# Altium PCB Copy of BGA_ACUity.PcbDoc (part 4 of 5)
Units mm, origin at the board's own origin, x right, y up, seen from the top; angles counter-clockwise.
Board outline 100 x 100.02 mm, 4 copper layers (TopSignal, Ground, Power, BottomSignal), stack 1.564 mm thick; 444 components, 319 nets, 2039 pads, 69 vias.
Unrouted connection lines stored in the file: 749.
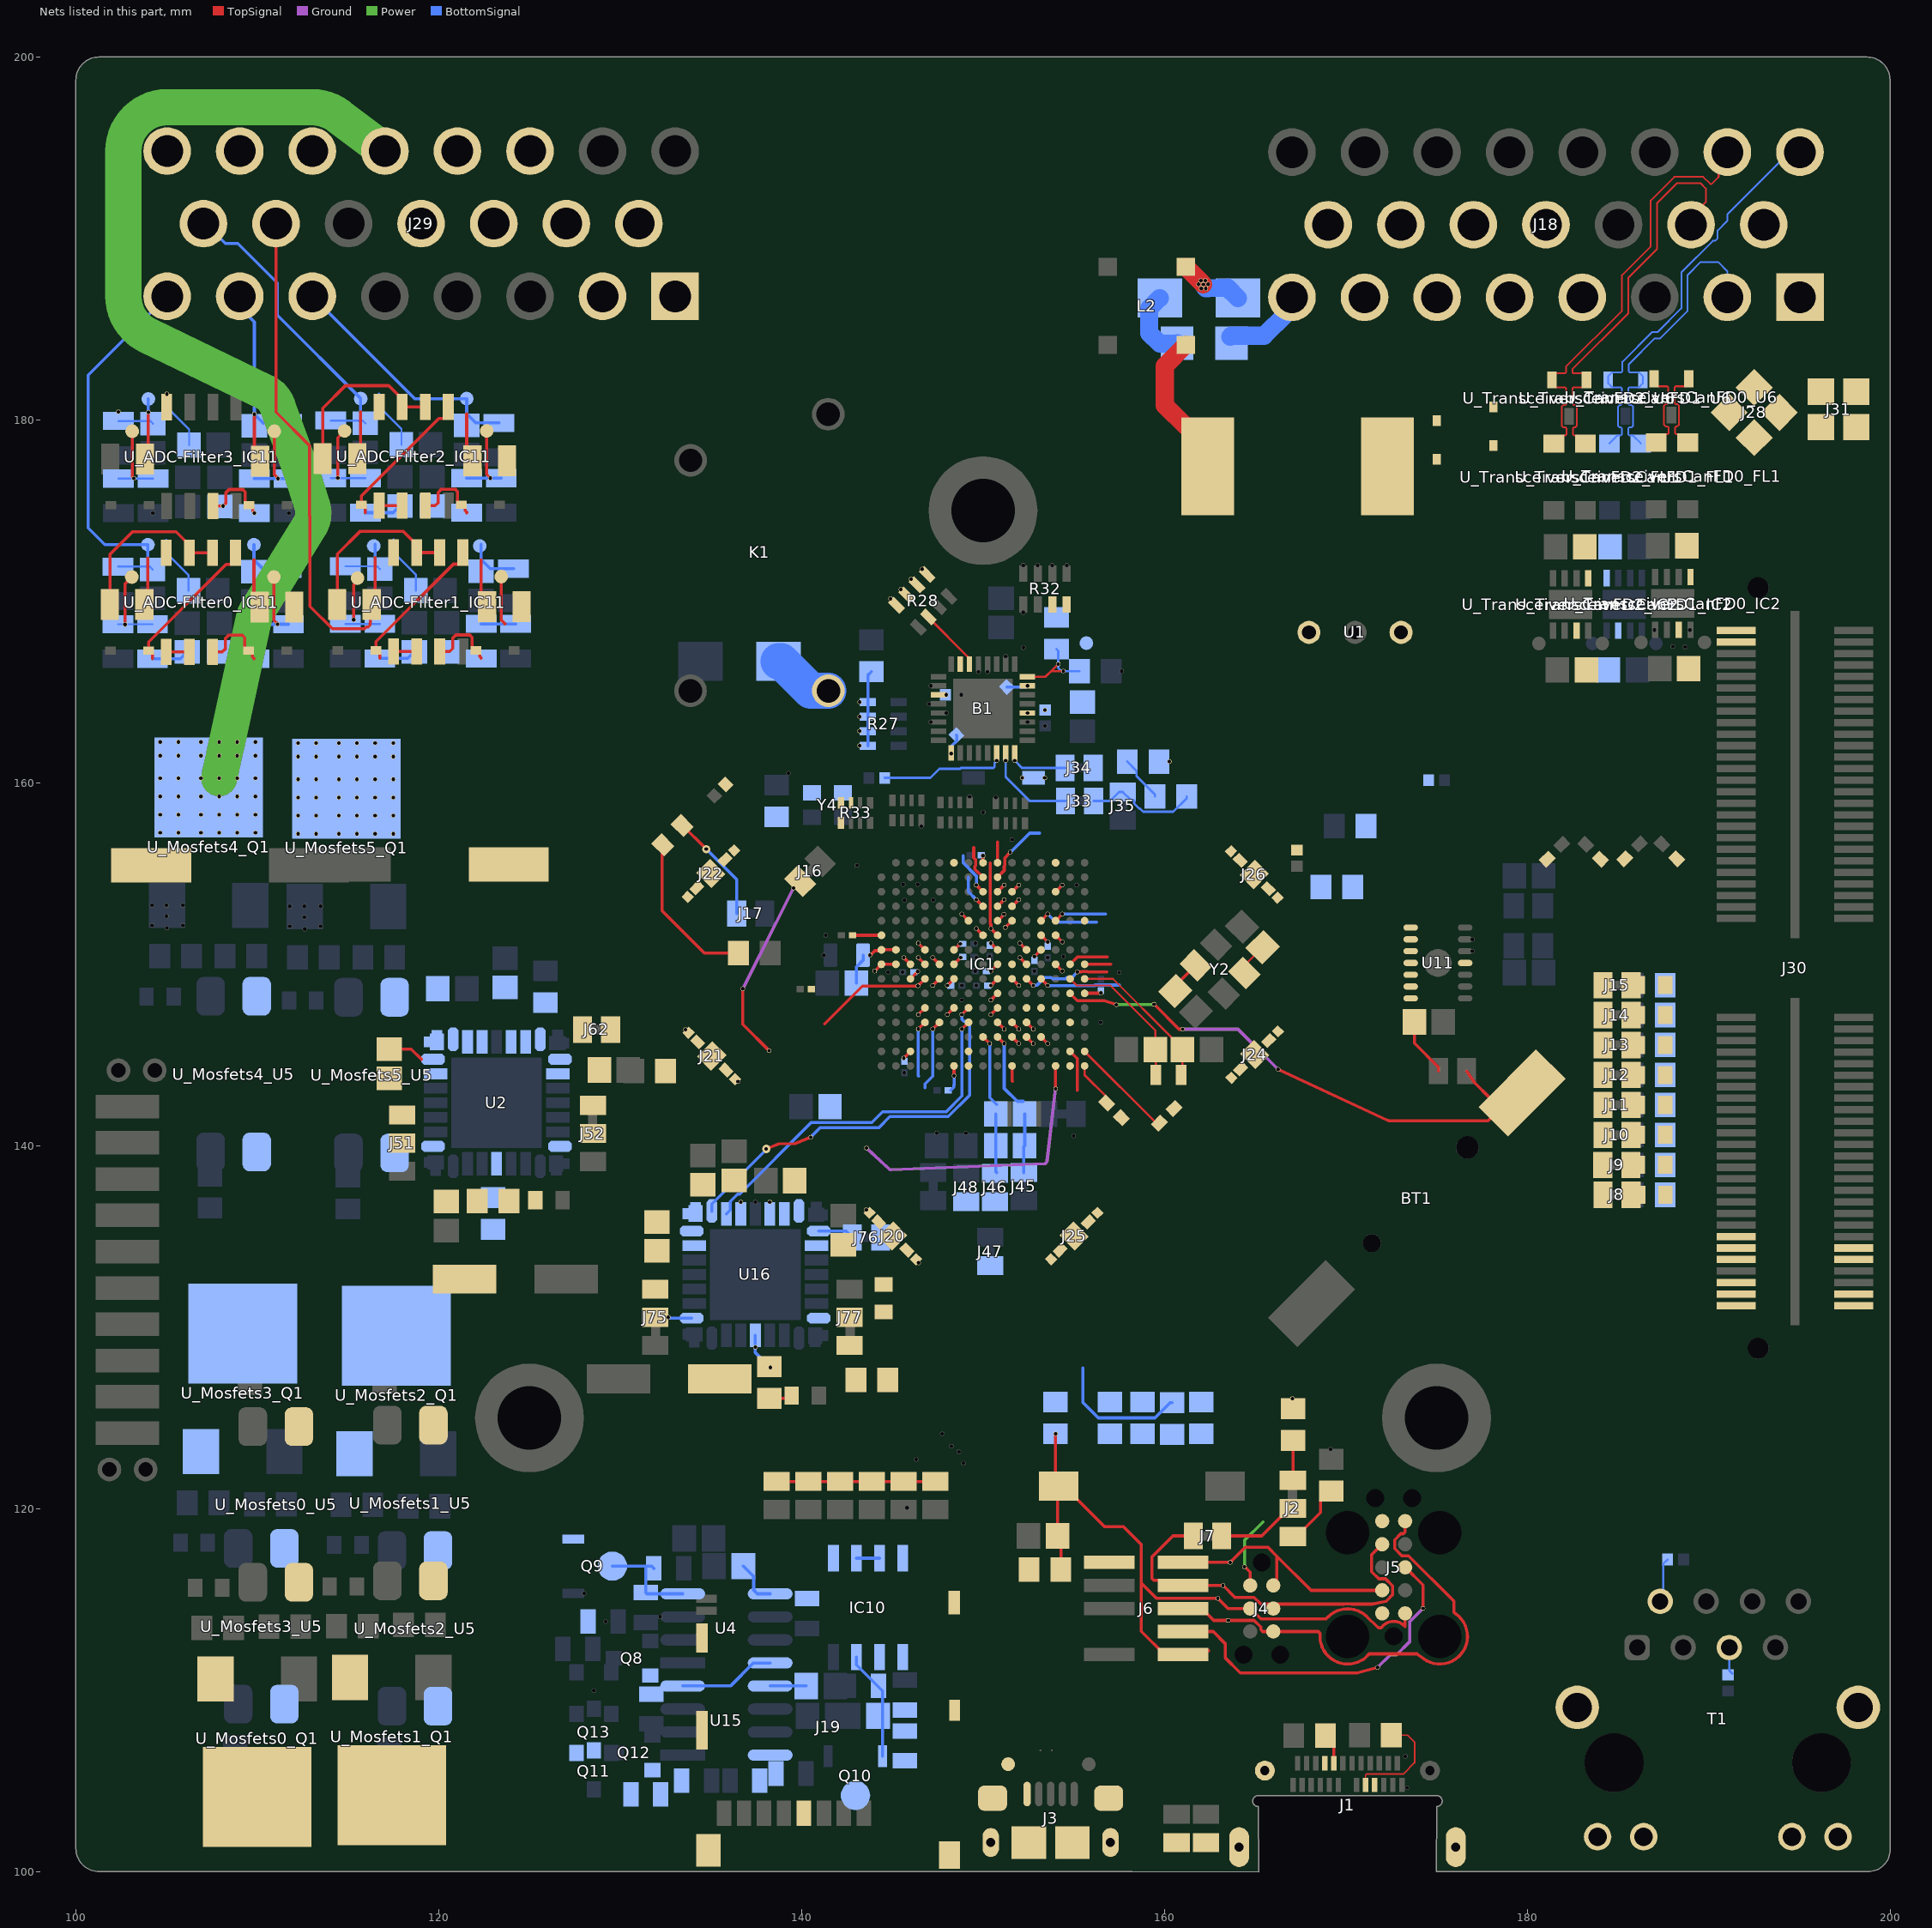
[diagram p6: the nets of this part, all layers, seen from the top]

## Via types
v1: diameter 0.5, hole 0.2, TopSignal to BottomSignal, 32 vias
v2: diameter 0.5, hole 0.3, TopSignal to BottomSignal, 24 vias
v3: diameter 0.6, hole 0.3, TopSignal to BottomSignal, 8 vias
v4: diameter 0.45, hole 0.2, TopSignal to BottomSignal, 5 vias

## Nets (pads, with @x,y where several pads share a name; then routed paths per layer and width w, separated by ;. In a path a pad name is that pad's centre, name@x,y a point inside that pad or via, vN(x,y) a via of type N, cw(c..) or ccw(c..) an arc to the next point about the centre after c; other vN are vias at no path point) (continued)
1_1-CLK_7: B1.30 C24.1 pad.1@150.75,161.225 R33.5 | length 6.7
  BottomSignal w0.131: C24.1@144.585,160.274 147.097,160.274 147.598,160.775 148.745,160.775 148.786,160.816 150.562,160.816 150.639,160.893 150.639,161.088 150.75,161.199 pad.1@150.75,161.225
+0V_VLO: B2.1 IC1.H1 IC1.H2 pad.1@144.032,149.632 TP15.P2 | length 1.3
  TopSignal w0.171: pad.1@144.032,149.632 IC1.H1@144.4,150 144.403,150.003 145.197,150.003 IC1.H2@145.2,150
+1V2: B2.2 C40.1 C42.1 C43.1 C44.1 C45.1 C46.1 C47.1 IC1.A8 IC1.F1 IC1.G6 IC1.H6 IC1.K15 IC1.R6 J40.1 pad.1@148.403,143.861 pad.1@148.742,151.13 pad.1@148.767,150.367 pad.1@150,155.983 pad.1@156.5,148.422 TP16.P2 | length 5.2
  TopSignal w0.171: C43.1@142.95,151.6 IC1.F1@144.4,151.6 ; IC1.R6@148.4,144.4 148.4,143.864 pad.1@148.403,143.861 ; IC1.H6@148.4,150.064 IC1.H6@148.4,150 pad.1@148.767,150.367 ; IC1.G6@148.4,150.8 148.413,150.799 pad.1@148.742,151.13 ; IC1.A8@150,155.6 pad.1@150,155.983 ; IC1.K15@155.6,148.4 155.611,148.411 156.489,148.411 pad.1@156.5,148.422
  BottomSignal w0.171: C44.1@148.227,143.053 148.392,143.217 148.392,143.331 148.403,143.342 pad.1@148.403,143.861
+3V3: B1.4 B1.7 B1.19 B1.25 C8.2 C10.2 C12.2 C15.2 C16.2 C17.2 C18.2 C25.1 C31.2 C32.1 C39.2 C41.2 C48.1 C49.2 C50.2 C51.2 C52.2 C53.2 C54.2 C55.2 C56.2 C58.2 D9.1 D13.A D18.1 IC1.F12 IC1.G1 IC1.G2 IC1.G9 IC1.G12 IC1.H9 IC1.J3 IC1.J6 IC1.J9 IC1.P3 IC6.3 J4.1 J5.1 J6.01 J18.7 J19.4 J30.09 J30.10 J37.1 J46.P0 J47.P0 J48.P0 J50.P0 J53.P1 J54.P1 J55.P1 J56.P1 J57.P1 J58.P1 pad.1@143.2,162.05 pad.1@143.2,162.85 pad.1@143.2,163.65 pad.1@143.2,164.45 pad.1@143.77,150.507 pad.1@144.905,170.153 pad.1@145.473,170.661 pad.1@145.632,144.832 pad.1@146.4,149.6 pad.1@146.039,171.227 pad.1@146.642,171.781 pad.1@147.975,164.85 pad.1@148.032,148.832 pad.1@148.249,161.619 pad.1@150.432,148.832 pad.1@150.432,149.632 pad.1@150.432,151.168 pad.1@152.45,163.85 pad.1@152.45,165.35 pad.1@152.155,160.274 pad.1@152.832,150.432 pad.1@153.405,160.274 pad.1@153.416,164.016 pad.1@153.568,151.232 pad.1@160.275,161.175 pad.1@164.411,116.793 pad.1@167.049,126.071 R1.2 R5.2 R6.2 R25.2 R26.2 R27.1 R27.2 R27.3 R27.4 R28.5 R28.6 R28.7 R28.8 R29.2 R30.2 R48.2 R49.1 U11.14 U_TransceiversCanFD0_C6.2 U_TransceiversCanFD0_IC2.5 U_TransceiversCanFD1_C6.2 U_TransceiversCanFD1_IC2.5 U_TransceiversCanFD2_C6.2 U_TransceiversCanFD2_IC2.5 Y4.4 | length 30
  TopSignal w0.171: J58.P1@138.625,121.5 J57.P1@140.375,121.5 J56.P1@142.125,121.5 J55.P1@143.875,121.5 J54.P1@145.625,121.5 J53.P1@147.375,121.5 ; pad.1@143.77,150.507 143.791,150.507 144.036,150.751 144.351,150.751 IC1.G1@144.4,150.8 IC1.G2@145.2,150.8 ; pad.1@145.632,144.832 IC1.P3@146,145.2 ; IC1.J3@146,149.2 pad.1@146.4,149.6 ; pad.1@148.032,148.832 IC1.J6@148.4,149.2 ; pad.1@150.432,148.832 IC1.J9@150.8,149.2 ; pad.1@150.432,149.632 IC1.H9@150.8,150 ; pad.1@150.432,151.168 IC1.G9@150.8,150.8 ; pad.1@152.832,150.432 IC1.G12@153.2,150.8 ; IC1.F12@153.2,151.6 pad.1@153.568,151.232 ; pad.1@164.411,116.793 164.534,116.696 164.73,116.5 J4.1@164.73,115.77 ; C12.2@173.775,146.825 173.775,145.65 175.102,144.323 175.102,144.123
  Power w0.171: pad.1@164.411,116.793 164.411,118.247 165.43,119.266
  BottomSignal w0.171: C39.2@143.015,148.971 143.015,149.856 143.39,150.231 C41.2@143.39,150.507 ; R27.1@143.65,162.05 R27.2@143.65,162.85 R27.3@143.65,163.65 R27.4@143.65,164.45 143.65,165.925 R26.2@143.85,166.125 ; pad.1@148.249,161.619 148.249,162.014 148.547,162.312 148.547,162.616 C16.2@148.533,162.63 ; C25.1@151.314,165.284 151.328,165.27 152.349,165.27 152.429,165.35 pad.1@152.45,165.35
+3V3_LOGIC: IC5.6 IC7.6 IC8.6 IC9.6 J59.P2 J60.P0 J63.P2 J64.P2 J66.P0 J67.P0 J68.P2 J72.P0 U17.4 U18.4
+3V3_USB: C59.2 C60.2 C61.2 C62.2 C63.2 IC1.A13 IC1.F13 IC1.H13 J50.P1 pad.1@154.368,149.632 pad.1@154.368,151.232 | length 1
  TopSignal w0.171: IC1.H13@154,150 pad.1@154.368,149.632 ; IC1.F13@154,151.6 pad.1@154.368,151.232
+3V3_VBATT: BT1.2 C38.2 IC1.K14 pad.1@157.35,147.775 pad.1@159.425,147.8 pad.1@161,146.425 pad.1@166.265,144.212 | length 31.6
  TopSignal w0.171: IC1.K14@154.8,148.4 155.2,148 156.306,148 156.32,147.987 156.68,147.987 156.694,148 pad.1@157.35,147.775 ; pad.1@159.425,147.8 160.8,146.425 pad.1@161,146.425 ; pad.1@166.265,144.212 172.331,141.391 172.365,141.375 172.403,141.375 177.833,141.375 BT1.2@179.303,142.845 ; 176.652,144.123 177.092,143.483 177.935,142.64 BT1.2@179.303,142.845 ; BT1.2@179.303,142.845 BT1.2@179.705,142.905 179.363,142.905 BT1.2@179.303,142.845
  Ground w0.171: pad.1@161,146.425 164.052,146.425 pad.1@166.265,144.212
  Power w0.171: pad.1@157.35,147.775 159.4,147.775 pad.1@159.425,147.8
+5_LOGIC: J51.P2 J52.P0 J62.P0 J75.P2 J76.P0 J77.P0 R39.2 R89.2 U_Mosfets0_U5.4 U_Mosfets1_U5.4 U_Mosfets2_U5.4 U_Mosfets3_U5.4 U_Mosfets4_U5.4 U_Mosfets5_U5.4
+5V: C29.2 C30.1 C33.2 D11.A D12.1 D18.2 IC10.8 J1.A4 J1.B4 J3.1 J5.5 J18.13 J18.14 J18.15 J30.11 J30.12 J39.1 pad.1@105.009,181.431 Q9.2 R70.2 R71.1 R72.1 R74.2 R75.1 R76.1 R77.1 R80.1 TP4.P2 U1.3 U4.4 U4.8 U15.4 U15.8 U_ADC-Filter0_C81.2 U_ADC-Filter0_IC11.8 U_ADC-Filter1_C81.2 U_ADC-Filter1_IC11.8 U_ADC-Filter2_C81.2 U_ADC-Filter2_IC11.8 U_ADC-Filter3_C81.2 U_ADC-Filter3_IC11.8 U_TransceiversCanFD0_C7.2 U_TransceiversCanFD0_IC2.3 U_TransceiversCanFD1_C7.2 U_TransceiversCanFD1_IC2.3 U_TransceiversCanFD2_C7.2 U_TransceiversCanFD2_IC2.3 | length 24.5
  BottomSignal w0.113: 104.985,173.4 104.985,172.675 106.217,171.443 U_ADC-Filter0_C81.2@106.217,170.585 ; pad.1@105.009,181.431 105.009,180.706 106.241,179.474 U_ADC-Filter3_C81.2@106.241,178.616 ; 116.713,181.451 116.713,180.726 117.945,179.494 U_ADC-Filter2_C81.2@117.945,178.636 ; 117.514,173.417 117.514,172.692 118.746,171.46 U_ADC-Filter1_C81.2@118.746,170.602
  BottomSignal w0.171: Q9.2@129.57,116.833 131.413,116.833 ; R71.1@131.857,116.706 131.73,116.833 131.413,116.833 ; U15.4@133.444,110.229 136.078,110.229 137.348,111.499 U4.8@138.271,111.499 ; U4.4@133.444,115.309 131.475,115.309 R70.2@131.412,115.372 131.412,116.832 131.413,116.833
+24V: C27.2 D19.1 J27.P0 J38.1
+24VBAT_LOGIC: F1.1 J18.8 | length 4.7
  BottomSignal w1: F1.1@163.62,184.582 163.684,184.646 165.495,184.646 166.717,185.869 166.717,186.451 J18.8@167.028,186.762
+24VBAT_PWR: J29.1 J29.2 R56.1 R66.1 U3.1 U3.2 U3.3 U3.16 U3.25
+24VFUSED_PWR: C9.2 C70.2 C71.2 C72.2 C73.2 C74.1 C82.2 C83.2 C84.2 C85.2 C86.2 C87.1 C89.1 C90.1 J29.9 J61.P1 J65.P1 J73.P1 J74.P1 pad.1@136.65,136.9 pad.1@138.25,136.9 U2.4 U2.6 U2.11 U2.31 U3.17 U3.18 U3.19 U3.20 U3.21 U3.22 U3.23 U3.24 U16.4 U16.6 U16.11 U16.31
_RXD2_7: B1.15 R32.7
_RXD3_7: B1.14 R28.2 | length 3.5
  TopSignal w0.131: R28.2@146.993,169.141 146.993,169.118 149.165,166.945 149.165,166.634 B1.14@149.25,166.55
ACT_CMOSIG0: IC1.H4 pad.1@146.431,150.368 U_Mosfets0_U5.1 | length 0.5
  TopSignal w0.171: pad.1@146.431,150.368 IC1.H4@146.8,150
ACT_CMOSIG1: IC1.H5 pad.1@147.232,150.368 U_Mosfets1_U5.1 | length 0.5
  TopSignal w0.171: pad.1@147.232,150.368 IC1.H5@147.6,150
ACT_CMOSIG2: IC1.H3 pad.1@145.632,150.368 U_Mosfets2_U5.1 | length 0.5
  TopSignal w0.171: pad.1@145.632,150.368 IC1.H3@146,150
ACT_CMOSIG3: IC1.J4 pad.1@146.417,148.817 U_Mosfets3_U5.1 | length 6.6
  TopSignal w0.171: 141.275,146.725 143.35,148.8 pad.1@146.416,148.8 ; pad.1@146.417,148.8 pad.1@146.416,148.8 ; IC1.J4@146.8,149.2 pad.1@146.417,148.817 ; pad.1@146.416,148.8 pad.1@146.417,148.817 ; pad.1@146.416,148.8 pad.1@146.417,148.817
ACT_CMOSIG4: IC1.J5 pad.1@147.232,148.832 U_Mosfets4_U5.1 | length 0.5
  TopSignal w0.171: pad.1@147.232,148.832 IC1.J5@147.6,149.2
ACT_CMOSIG5: IC1.G4 pad.1@146.432,151.168 U_Mosfets5_U5.1 | length 0.5
  TopSignal w0.171: pad.1@146.432,151.168 IC1.G4@146.8,150.8
ADC0: IC10.6 IC10.7 | length 1.3
  BottomSignal w0.171: IC10.6@143.027,117.272 IC10.7@144.297,117.272
ADC_A0: J18.5 U_ADC-Filter0_C80.2 U_ADC-Filter0_R81.2 U_ADC-Filter0_R86.2 U_ADC-Filter0_TP29.P2 | length 5.5
  TopSignal w0.171: 109.811,172.289 109.811,170.016 U_ADC-Filter0_R81.2@110.131,169.696
  BottomSignal w0.171: U_ADC-Filter0_TP29.P2@109.811,173.125 109.811,172.289 110.311,171.789 U_ADC-Filter0_R86.2@111.589,171.789
ADC_A1: J18.6 U_ADC-Filter1_C80.2 U_ADC-Filter1_R81.2 U_ADC-Filter1_R86.2 U_ADC-Filter1_TP29.P2 | length 5.5
  TopSignal w0.171: 122.34,172.306 122.34,170.033 U_ADC-Filter1_R81.2@122.66,169.713
  BottomSignal w0.171: U_ADC-Filter1_TP29.P2@122.34,173.142 122.34,172.306 122.84,171.806 U_ADC-Filter1_R86.2@124.118,171.806
ADC_A2: J29.6 U_ADC-Filter2_C80.2 U_ADC-Filter2_R81.2 U_ADC-Filter2_R86.2 U_ADC-Filter2_TP29.P2 | length 16.4
  TopSignal w0.171: 121.539,180.34 121.539,178.067 U_ADC-Filter2_R81.2@121.859,177.747
  BottomSignal w0.171: J29.6@113.031,186.818 118.673,181.176 U_ADC-Filter2_TP29.P2@121.539,181.176 121.539,180.34 122.039,179.84 U_ADC-Filter2_R86.2@123.317,179.84
ADC_A3: J29.7 pad.1@109.835,180.32 U_ADC-Filter3_C80.2 U_ADC-Filter3_R81.2 U_ADC-Filter3_R86.2 U_ADC-Filter3_TP29.P2 | length 11.5
  TopSignal w0.171: pad.1@109.835,180.32 109.835,178.047 U_ADC-Filter3_R81.2@110.155,177.727
  BottomSignal w0.171: J29.7@109.031,186.818 109.031,186.208 109.835,185.404 U_ADC-Filter3_TP29.P2@109.835,181.156 pad.1@109.835,180.32 110.335,179.82 U_ADC-Filter3_R86.2@111.613,179.82
ADC_B0: J29.8 U_ADC-Filter0_C79.2 U_ADC-Filter0_R82.1 U_ADC-Filter0_R87.1 U_ADC-Filter0_TP30.P2 | length 23.6
  TopSignal w0.171: U_ADC-Filter0_R82.1@103.776,169.823 103.969,170.016 103.969,172.396
  BottomSignal w0.113: U_ADC-Filter0_R87.1@102.318,171.916 104.073,171.916 U_ADC-Filter0_C79.2@104.223,171.766
  BottomSignal w0.171: U_ADC-Filter0_C79.2@103.969,172.396 U_ADC-Filter0_TP30.P2@103.969,173.125 101.6,173.125 100.675,174.05 100.675,182.462 J29.8@105.031,186.818
ADC_B1: J29.14 U_ADC-Filter1_C79.2 U_ADC-Filter1_R82.1 U_ADC-Filter1_R87.1 U_ADC-Filter1_TP30.P2 | length 32.3
  TopSignal w0.171: J29.14@111.031,190.818 111.031,180.43 112.883,178.578 112.883,174.699 112.903,174.679 112.903,169.728 114.145,168.486 115.89,168.486 115.99,168.586 116.105,168.586 116.205,168.686 116.205,168.808 116.231,168.834 116.231,169.766 U_ADC-Filter1_R82.1@116.305,169.84 116.498,170.033 116.498,172.413
  BottomSignal w0.113: U_ADC-Filter1_R87.1@114.847,171.933 116.602,171.933 U_ADC-Filter1_C79.2@116.752,171.783
  BottomSignal w0.171: U_ADC-Filter1_C79.2@116.498,172.413 U_ADC-Filter1_TP30.P2@116.498,173.142
ADC_B2: J29.15 U_ADC-Filter2_C79.2 U_ADC-Filter2_R82.1 U_ADC-Filter2_R87.1 U_ADC-Filter2_TP30.P2 | length 19
  TopSignal w0.171: U_ADC-Filter2_R82.1@115.504,177.874 115.697,178.067 115.697,180.447
  BottomSignal w0.113: U_ADC-Filter2_R87.1@114.046,179.967 115.801,179.967 U_ADC-Filter2_C79.2@115.951,179.817
  BottomSignal w0.171: J29.15@107.031,190.818 107.152,190.818 108.247,189.723 108.927,189.723 111.1,187.55 111.1,185.773 U_ADC-Filter2_TP30.P2@115.697,181.176 U_ADC-Filter2_C79.2@115.697,180.447
ADC_B3: pad.1@102.342,180.447 pad.1@103.993,180.427 U_ADC-Filter3_C79.2 U_ADC-Filter3_R82.1 U_ADC-Filter3_R87.1 U_ADC-Filter3_TP30.P2 | length 5.3
  TopSignal w0.171: U_ADC-Filter3_R82.1@103.8,177.854 103.993,178.047 pad.1@103.993,180.427
  BottomSignal w0.113: U_ADC-Filter3_R87.1@102.342,179.947 104.097,179.947 U_ADC-Filter3_C79.2@104.247,179.797
  BottomSignal w0.171: pad.1@103.993,180.427 U_ADC-Filter3_TP30.P2@103.993,181.156
AN_ADC_A0: IC1.N10 pad.1@111.116,168.741 pad.1@151.968,145.632 U_ADC-Filter0_R83.1 U_ADC-Filter0_R85.2 U_ADC-Filter0_TP31.P2 | length 5.1
  TopSignal w0.171: U_ADC-Filter0_TP31.P2@110.917,171.347 110.917,168.962 111.116,168.762 pad.1@111.116,168.741 ; IC1.N10@151.6,146 pad.1@151.968,145.632
  BottomSignal w0.171: U_ADC-Filter0_R83.1@109.811,168.741 pad.1@111.116,168.741 U_ADC-Filter0_R85.2@111.716,168.741
AN_ADC_A1: IC1.M10 pad.1@151.968,146.432 U_ADC-Filter1_R83.1 U_ADC-Filter1_R85.2 U_ADC-Filter1_TP31.P2 | length 5.1
  TopSignal w0.171: U_ADC-Filter1_TP31.P2@123.446,171.364 123.446,168.979 123.646,168.78 123.646,168.758 ; IC1.M10@151.6,146.8 pad.1@151.968,146.432
  BottomSignal w0.171: U_ADC-Filter1_R83.1@122.34,168.758 123.646,168.758 U_ADC-Filter1_R85.2@124.245,168.758
AN_ADC_A2: IC1.L9 pad.1@122.844,176.792 pad.1@150.432,147.232 U_ADC-Filter2_R83.1 U_ADC-Filter2_R85.2 U_ADC-Filter2_TP31.P2 | length 5.1
  TopSignal w0.171: U_ADC-Filter2_TP31.P2@122.645,179.398 122.645,177.013 122.844,176.813 pad.1@122.844,176.792 ; pad.1@150.432,147.232 IC1.L9@150.8,147.6
  BottomSignal w0.171: U_ADC-Filter2_R83.1@121.539,176.792 pad.1@122.844,176.792 U_ADC-Filter2_R85.2@123.444,176.792
AN_ADC_A3: IC1.R10 pad.1@111.14,176.772 U_ADC-Filter3_R83.1 U_ADC-Filter3_R85.2 U_ADC-Filter3_TP31.P2 | length 5.5
  TopSignal w0.171: U_ADC-Filter3_TP31.P2@110.941,179.378 110.941,176.993 111.14,176.793 pad.1@111.14,176.772 ; IC1.R10@151.6,144.4 151.6,143.575 151.625,143.55
  BottomSignal w0.171: U_ADC-Filter3_R83.1@109.835,176.772 pad.1@111.14,176.772 U_ADC-Filter3_R85.2@111.74,176.772
AN_ADC_B0: IC1.R7 pad.1@102.711,168.734 U_ADC-Filter0_R84.2 U_ADC-Filter0_R88.2 U_ADC-Filter0_TP32.P2 | length 4.7
  TopSignal w0.171: pad.1@102.711,168.697 102.711,170.965 103.08,171.333 U_ADC-Filter0_TP32.P2@103.08,171.347
  BottomSignal w0.113: U_ADC-Filter0_R88.2@102.318,168.741 U_ADC-Filter0_R84.2@104.223,168.741
AN_ADC_B1: IC1.M9 pad.1@115.316,168.986 pad.1@151.168,146.432 U_ADC-Filter1_R84.2 U_ADC-Filter1_R88.2 U_ADC-Filter1_TP32.P2 | length 4.8
  TopSignal w0.171: pad.1@115.316,168.95 115.316,170.914 115.526,171.124 U_ADC-Filter1_TP32.P2@115.526,171.281 ; IC1.M9@150.8,146.8 pad.1@151.168,146.432
  BottomSignal w0.113: U_ADC-Filter1_R88.2@114.847,168.758 U_ADC-Filter1_R84.2@116.752,168.758
AN_ADC_B2: IC1.M11 pad.1@114.441,176.804 pad.1@152.768,146.432 U_ADC-Filter2_R84.2 U_ADC-Filter2_R88.2 U_ADC-Filter2_TP32.P2 | length 5.2
  TopSignal w0.171: pad.1@114.441,176.768 114.441,179.014 114.808,179.381 U_ADC-Filter2_TP32.P2@114.808,179.398 ; IC1.M11@152.4,146.8 pad.1@152.768,146.432
  BottomSignal w0.113: U_ADC-Filter2_R88.2@114.046,176.792 U_ADC-Filter2_R84.2@115.951,176.792
AN_ADC_B3: IC1.N11 pad.1@103.194,176.786 pad.1@152.768,145.632 U_ADC-Filter3_R84.2 U_ADC-Filter3_R88.2 U_ADC-Filter3_TP32.P2 | length 5.1
  TopSignal w0.171: U_ADC-Filter3_TP32.P2@103.104,179.378 103.104,176.86 pad.1@103.192,176.772 ; IC1.N11@152.4,146 pad.1@152.768,145.632
  BottomSignal w0.113: U_ADC-Filter3_R88.2@102.342,176.772 U_ADC-Filter3_R84.2@104.247,176.772
AVCC0_8: C35.2 C36.2 IC1.N8 J46.P1 pad.1@150.368,145.632 | length 7.3
  TopSignal w0.171: IC1.N8@150,146 pad.1@150.368,145.632
  BottomSignal w0.171: pad.1@150.368,145.632 150.368,142.657 C35.2@150.75,142.275 ; C35.2@150.7,141.75 150.7,138.575 J46.P1@150.75,138.525
AVSS0_8: C35.1 C36.1 IC1.N9 J45.P0 pad.1@151.168,145.632 | length 7.6
  TopSignal w0.171: IC1.N9@150.8,146 pad.1@151.168,145.632
  BottomSignal w0.171: pad.1@151.168,145.632 151.168,143.162 151.88,142.45 152.214,142.45 ; J45.P0@152.25,138.525 152.25,139.95 C36.1@152.3,140 C35.1@152.3,141.75
Board_EXTAL_4: C3.2 IC1.H15 Y2.3 | length 3.3
  TopSignal w0.102: Y2.3@164.412,149.521 164.412,149.945 C3.2@165.412,150.945
  TopSignal w0.171: IC1.H15@155.6,150 157.05,150
Board_XCIN_4: C4.2 IC1.J15 Y1.1 | length 8.5
  TopSignal w0.102: IC1.J15@155.6,149.2 157.166,149.2 160.388,145.978 160.388,145.898 C4.2@160.987,145.299 160.987,143.964 Y1.1@160.925,143.902
Board_XCOUT_4: C5.2 IC1.J14 Y1.2 | length 8.3
  TopSignal w0.102: IC1.J14@154.8,149.2 155.166,148.834 157.016,148.834 159.501,146.349 C5.2@159.501,145.299 159.525,145.275 Y1.2@159.525,143.902
Board_XTAL_4: C2.2 IC1.H14 Y2.1 | length 4.1
  TopSignal w0.171: IC1.H14@154.8,150 155.2,150.4 156.85,150.4 ; C2.2@160.597,148.521 160.597,148.818 Y2.1@161.724,149.945
BOTAO_0: IC1.E7 pad.1@148.832,152.768 R92.2 U17.3 | length 0.5
  TopSignal w0.171: pad.1@148.832,152.768 IC1.E7@149.2,152.4
BOTAO_1: IC1.C13 pad.1@154.368,154.368 R93.2 U18.3 | length 0.5
  TopSignal w0.171: IC1.C13@154,154 pad.1@154.368,154.368
BufferIN_11: 1.2 C75.2 IC10.3 Q10.3 | length 6.1
  BottomSignal w0.171: IC10.3@143.027,111.822 143.027,111.397 144.469,109.955 Q10.3@144.469,106.354
BUTTON_0: J29.22 U17.1
BUTTON_1: J29.23 U18.1
CAGE: J1.S1 J1.S2 J1.S3 J3.S J19.11 J19.12 J19.13 J19.14 J19.15 J19.16 J20.1 J21.1 J22.1 J23.1 J24.1 J25.1 J26.1 J69.P0 J70.P0 pad.1@133.6,146.4 pad.1@136.491,143.537 pad.1@143.561,136.467 pad.1@146.45,133.55 T1.Shell
CAN_H0: J18.9 U_TransceiversCanFD0_FL1.3 U_TransceiversCanFD0_U6.2 | length 4.9
  TopSignal w0.096: U_TransceiversCanFD0_U6.2@186.993,182.272 186.993,182.07 187.209,181.853 187.715,181.853 187.771,181.797 187.771,180.936 187.715,180.88 187.619,180.88 187.532,180.793 187.532,179.735 187.619,179.648 187.74,179.648 187.796,179.592 187.796,179.266 187.74,179.21 187.557,179.21 U_TransceiversCanFD0_FL1.3@187.105,178.758
CAN_H1: J18.2 U_TransceiversCanFD1_FL1.3 U_TransceiversCanFD1_U6.2 | length 17